# Altium PCB mantarray_beta2_sensor_arrayed.PcbDoc (part 1 of 4) (continued)
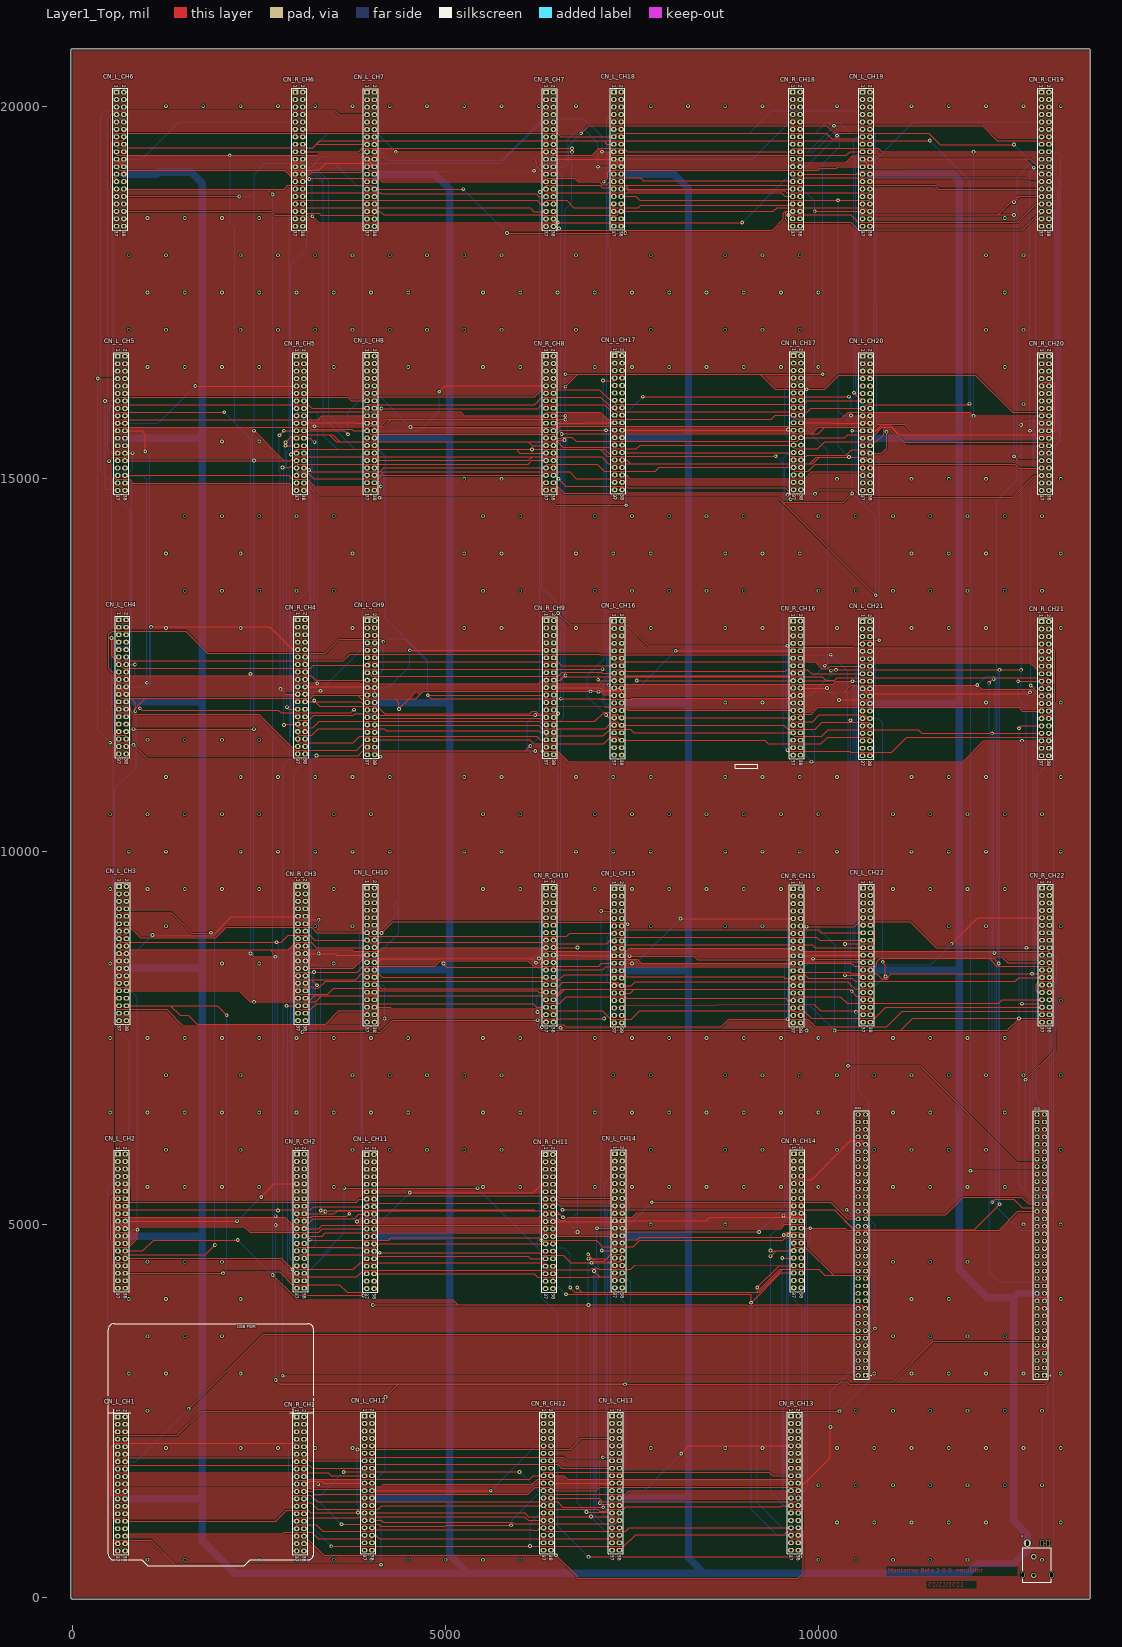
[diagram p0: Layer1_Top view]
## Nets (pads, with @x,y where several pads share a name; then routed paths per layer and width w, separated by ;. In a path a pad name is that pad's centre, name@x,y a point inside that pad or via, vN(x,y) a via of type N, cw(c..) or ccw(c..) an arc to the next point about the centre after c; other vN are vias at no path point) (continued)
  Layer8_BOT w10: CN_L_CH5.34@699.88,15045.12 941.88,15045.12 992,14995 v2(992,12265) ; v2(2014,4343) 2063,4392 v2(2063,7805) ; CN_L_CH8.34@4046.34,15047.09 4103.91,15047.09 4131,15020 v2(4131,14897) ; v2(6989,4374) 6989,1039 7148,880 7321.77,880 7331.77,870 CN_L_CH13.34@7331.77,828.58 ; v2(7126,7761) 7218,7853 7350,7853 7362.15,7865.15 CN_L_CH15.34@7362.15,7902.76 ; v2(10503,7851) 10483,7831 10483,7708 ; CN12.64@10533.8,6073.62 CN12.64@10506,6073.62 ; CN_L_CH21.34@10692.01,11486.06 10752,11486.06 10755,11483.06 10755,8680 10734,8659 10534,8659 10510,8635 10510,7735 10483,7708 ; CN_L_CH19.34@10692.46,18587.8 10692.46,18550 10680.46,18538 10560,18538 10518.98,18496.98 10518.98,16245 10537,16226.98 10537,16079.86 10518.98,16061.83 10518.98,15115.02 10539,15095 10680,15095 10693.98,15081.02 CN_L_CH20.34@10693.98,15045.12 ; 10483,6129 10483,6073.62 CN12.64@10506,6073.62 ; 10483,6129 10506,6106 CN12.64@10506,6073.62 ; 10483,6129 10483,7708
BUS1: CN11.61 CN_R_CH1.24 CN_R_CH2.24 CN_R_CH3.24 CN_R_CH4.24 CN_R_CH5.24 CN_R_CH6.24 CN_R_CH7.24 CN_R_CH8.24 CN_R_CH9.24 CN_R_CH10.24 CN_R_CH11.24 CN_R_CH12.24 CN_R_CH13.24 CN_R_CH14.24 CN_R_CH15.24 CN_R_CH16.24 CN_R_CH17.24 CN_R_CH18.24 CN_R_CH19.24 CN_R_CH20.24 CN_R_CH21.24 CN_R_CH22.24 | length 81901.7
  Layer1_Top w10: CN_R_CH5.24@3099.88,15545.12 3185.88,15545.12 3238,15493 v2(3242.76,15493) ; CN_R_CH2.24@3103.88,4843.31 3344.31,4843.31 3387,4886 6405,4886 6427,4864 6427,4838.43 CN_R_CH11.24@6440.43,4838.43 7188,4838.43 7230.43,4796 7572,4796 7605,4829 9508,4829 v2(9535,4856) 9575,4896 9760,4896 9770.02,4885.98 CN_R_CH14.24@9770.02,4848.03 ; CN_R_CH4.24@3115.14,12009.69 v2@3254.31,12009.69 ; CN_R_CH3.24@3119.57,8432.91 3763,8432.91 3895.09,8565 4101,8565 4127,8591 6227,8591 v2(6253,8565) ; v2(3212,18522) 3296,18438 6501,18438 v2(6502,18439) v2(8978,18439) ; v2(3238,12026) v2@3254.31,12009.69 ; v2(3601.8,977) 4105,977 4130,952 4993.27,952 5003.86,962.6 v2(5877.95,962.6) ; CN_R_CH12.24@6412.87,1328.58 7061.42,1328.58 7109,1281 9720,1281 9731.77,1292.77 CN_R_CH13.24@9731.77,1328.58 ; CN_R_CH10.24@6446.34,8413.23 7106.23,8413.23 7148,8455 9747.15,8455 9762.15,8440 CN_R_CH15.24@9762.15,8402.76 9762.15,8382 10316.73,8382 10318,8383.27 10422.73,8383.27 10445,8361 10783.91,8361 10858.91,8286 10925,8286 10939,8300 10939,8320 10980,8361 v2(12864,8361) 13099.88,8361 CN_R_CH22.24@13099.88,8411.26 ; CN_R_CH8.24@6446.34,15547.09 6554.18,15547.09 6568.32,15561.23 6690.94,15561.23 6749.17,15503 9717,15503 9766.99,15552.99 CN_R_CH17.24@9767.2,15552.99 10351.99,15552.99 10392,15593 10755,15593 10853,15691 10963,15691 11161,15493 13080,15493 13093.98,15506.98 CN_R_CH20.24@13093.98,15545.12 ; v2(6506,11852) 6240.52,11852 6209.82,11882.7 6160.52,11882.7 6129.82,11852 4180,11852 4080,11952 3917,11952 ; v2(6506,13200) 6664,13042 7434,13042 7715,12761 v2(9586,12761) 9604,12743 10464,12743 10471,12736 13120,12736 13168,12688 13168,12014.06 13140,11986.06 CN_R_CH21.24@13092.01,11986.06 ; CN_R_CH18.24@9755.39,19088.43 10511.43,19088.43 10559,19136 12848.53,19136 12850.39,19134.14 12928.53,19134.14 12930.39,19136 13080,19136 13092.46,19123.54 CN_R_CH19.24@13092.46,19087.8 ; v2@3254.31,12009.69 3312,11952 3917,11952 ; v2@3254.31,12009.69 3859.31,12009.69 3917,11952
  Layer8_BOT w10: CN_R_CH6.24@3084.19,19087.8 3195.11,19087.8 3212,19070.91 v2(3212,18522) ; CN_R_CH1.24@3100.91,1317.8 3261,1317.8 v2(3601.8,977) ; CN_R_CH2.24@3103.88,4843.31 3129,4843.31 3129,4875 3195,4941 3195,8023.35 3214.57,8042.91 3214.57,8337 3119.57,8432 CN_R_CH3.24@3119.57,8432.91 ; CN_R_CH4.24@3115.14,12009.69 3115.14,11977.14 3100,11962 2978.14,11962 2960.14,11980 2960.14,12140 2978.14,12158 3164,12158 3238,12232 ; v2(3238,12026) 3238,12232 ; v2(3242.76,15493) 3238,15488.24 3238,12232 ; v2(5877.95,962.6) 5877.95,1024.95 6230,1377 6400,1377 6412.87,1364.13 CN_R_CH12.24@6412.87,1328.58 ; v2(6253,8565) 6253,8430 6320,8363 6430,8363 6446.34,8379.34 CN_R_CH10.24@6446.34,8413.23 ; CN_R_CH8.24@6446.34,15547.09 6446.34,15580.66 6430,15597 6320,15597 6291,15568 6291,13541 6506,13326 v2(6506,13200) 6506,12010 ; CN_R_CH7.24@6446.34,19086.46 6492,19086.46 6502,19076.46 v2(6502,18439) ; CN_R_CH9.24@6450.28,11999.84 6495.84,11999.84 ; v2(6506,11852) 6506,11989.68 ; v2(8978,18439) 9575,19036 9741.39,19036 9755.39,19050 CN_R_CH18.24@9755.39,19088.43 ; v2(9535,4856) 9575,4816 9575,2634 9536,2595 9536,1443 9600,1379 9720,1379 9731.77,1367.23 CN_R_CH13.24@9731.77,1328.58 ; v2(9586,12761) 9586,12076 ; v2(12864,8361) 12883,8342 ; CN11.61@13033.8,5973.62 13033.8,6010.2 13020,6024 12899,6024 12883,6040 12883,8342 ; CN_R_CH21.24@13092.01,11986.06 13092.01,11949.01 13080,11937 12923,11937 12883,11897 12883,8342 ; CN_R_CH19.24@13092.46,19087.8 13159,19087.8 13228,19018.8 13228,15573.12 13200,15545.12 CN_R_CH20.24@13093.98,15545.12 ; 6495.84,11999.84 6506,11989.68 ; 6495.84,11999.84 6506,12010 ; 6506,11989.68 6506,12010 ; 9586,12076 9586,11978 9620,11944 9750,11944 9761.3,11955.3 CN_R_CH16.24@9761.3,11993.94 9761.3,12030.7 9750,12042 9620,12042 9586,12076
BUS2: CN11.46 CN_R_CH1.22 CN_R_CH2.22 CN_R_CH3.22 CN_R_CH4.22 CN_R_CH5.22 CN_R_CH6.22 CN_R_CH7.22 CN_R_CH8.22 CN_R_CH9.22 CN_R_CH10.22 CN_R_CH11.22 CN_R_CH12.22 CN_R_CH13.22 CN_R_CH14.22 CN_R_CH15.22 CN_R_CH16.22 CN_R_CH17.22 CN_R_CH18.22 CN_R_CH19.22 CN_R_CH20.22 CN_R_CH21.22 CN_R_CH22.22 | length 111181.5
  Layer1_Top w10: CN_R_CH6.22@3084.19,19187.8 3194.8,19187.8 3341,19334 4134,19334 4176,19292 6173,19292 6232,19233 6232,19184 6280,19136 6396,19136 6415,19155 6415,19186.46 CN_R_CH7.22@6446.34,19186.46 ; CN_R_CH5.22@3099.88,15645.12 3642.88,15645.12 v2(3689,15599) ; CN_R_CH1.22@3100.91,1417.8 3203.2,1417.8 3240,1381 6104,1381 6200,1477 6400,1477 6412.87,1464.13 CN_R_CH12.22@6412.87,1428.58 7018.58,1428.58 7067,1477 9720,1477 9731.77,1465.23 CN_R_CH13.22@9731.77,1428.58 ; CN_R_CH2.22@3103.88,4943.31 3299.54,4943.31 3342.23,4986 6430,4986 6440.43,4975.57 CN_R_CH11.22@6440.43,4938.43 ; v2@3264,11289 v2(3268,11289) 3825,11289 3886,11350 6069,11350 ; v2(4528,15695) 6431.34,15695 6446.34,15680 CN_R_CH8.22@6446.34,15647.09 6472.09,15647.09 6528,15703 9754.2,15703 9767.2,15690 CN_R_CH17.22@9767.2,15652.99 ; v2(6136,11417) 6069,11350 ; v2(6203,11350) 6069,11350 ; v2(6569,5196) 6620,5196 10210,5196 ; v2(6818,19636) 6920,19738 10114,19738 v2(10250,19602) 10250,19636 11480,19636 11632,19484 v2(12625,19484) ; CN_R_CH15.22@9762.15,8502.76 10441.24,8502.76 10483,8461 10760,8461 10780,8481 10780,8520 10827,8567 12291,8567 ; CN_R_CH14.22@9770.02,4948.03 v2(9891,4948.03) 10357.97,4948.03 10382,4924 12424.38,4924 12674,5173.62 CN11.46@12933.8,5173.62 ; v2(10167,12428) 10177,12438 v2(10237,12438) v2(12431,12438) v2(12720,12438) ; v2(12419,8500) 12352,8567 12291,8567 ; v2(12431,5270) 12090,4929 10483,4929 ; v2(12720,15723) 12792,15795 13120,15795 13149,15766 13149,15708.02 13093.98,15653 CN_R_CH20.22@13093.98,15645.12 ; CN_R_CH22.22@13099.88,8511.26 13099.88,8463 12395,8463 12291,8567 ; 10210,5196 10216,5196 10483,4929 ; 10210,5196 10477,4929 10483,4929
  Layer8_BOT w10: CN_R_CH6.22@3084.19,19187.8 3238.2,19187.8 3432,18994 3432,15856 v2(3689,15599) 3689,15896 3889,16096 4127,16096 v2(4528,15695) ; CN_R_CH4.22@3115.14,12109.69 3161.31,12109.69 3190.14,12080.86 3190.14,11291 ; CN_R_CH3.22@3119.57,8532.91 3160,8532.91 3194.57,8567.48 ; v2(6136,11417) 6275.28,11556.28 6275.28,11596.72 ; v2(6203,11350) 6502,11051 6502,8525.23 6490,8513.23 CN_R_CH10.22@6446.34,8513.23 6446.34,8475 6480,8475 6506,8449 ; CN_R_CH11.22@6440.43,4938.43 6484.43,4938.43 6496,4950 6496,5099.8 6569,5172.8 v2(6569,5196) 6502,5263 6502,7932.38 ; CN_R_CH7.22@6446.34,19186.46 6600,19186.46 6652,19238.46 6652,19470 v2(6818,19636) ; CN_R_CH13.22@9731.77,1428.58 9808.58,1428.58 9860,1480 9860,4762.97 9891,4793.97 v2(9891,4948.03) ; CN_R_CH18.22@9755.39,19188.43 9836.43,19188.43 v2(10250,19602) ; CN_R_CH16.22@9761.3,12093.94 9892.94,12093.94 v2(10237,12438) ; CN_R_CH17.22@9767.2,15652.99 9848,15652.99 10126,15374.99 10126,12469 v2(10167,12428) ; v2(12419,8500) v2@12419,5282 ; v2(12431,12438) v2(12431,5270) v2@12419,5282 ; v2(12625,19484) 12871,19238 ; v2(12720,15723) v2(12720,12438) 12720,12183 12807.41,12095.59 12880,12095.59 12918.41,12134 13040,12134 13052,12122 13052,12086.06 CN_R_CH21.22@13092.01,12086.06 ; CN11.46@12933.8,5173.62 12933.8,5210 12947.8,5224 13065,5224 13130,5289 13130,7620.71 13174.88,7665.6 13174.88,8324.12 13140,8359 12965,8359 12944,8380 12944,8440 12967,8463 13099.88,8463 CN_R_CH22.22@13099.88,8511.26 ; CN_R_CH19.22@13092.46,19187.8 13092.46,19225.54 13080,19238 12871,19238 ; 3190.14,11291 3190.14,11242.19 3175,11227.05 3175,8731.79 3194.57,8712.22 3194.57,8567.48 ; 3190.14,11291 3266,11291 v2(3268,11289) 3206,11227 3206,8578.91 3194.57,8567.48 ; 6275,11877 6275.28,11596.72 ; 6275,11877 6295,11897 6295,12025 6320,12050 6440.28,12050 ; 6275,11877 6275,11597 6275.28,11596.72 ; 6275.28,11596.72 6320,11552 6480,11552 6506,11526 6506,8449 ; 6440.28,12050 CN_R_CH9.22@6450.28,12099.84 6450.28,12060 6440.28,12050 ; 6502,7932.38 6502,7942 6521.34,7961.34 ; 6502,7932.38 6521.34,7951.71 6521.34,7961.34 ; 6506,8449 6506,8199 6521.34,8183.66 ; 6506,8449 6521.34,8433.66 6521.34,8183.66 ; 6521.34,7961.34 6521.34,8183.66 ; 6521.34,7961.34 6522,7962 6522,8183 6521.34,8183.66 ; v2@12419,5282 12391,5310 12391,8498.19 12421,8528.19 12421,9691 12411,9701 12411,12382.58 12391,12402.58 12391,14711 12665,14985 12665,19048.48 12854.52,19238 12871,19238
BUS3: CN11.47 CN_R_CH1.31 CN_R_CH2.31 CN_R_CH3.31 CN_R_CH4.31 CN_R_CH5.31 CN_R_CH6.31 CN_R_CH7.31 CN_R_CH8.31 CN_R_CH9.31 CN_R_CH10.31 CN_R_CH11.31 CN_R_CH12.31 CN_R_CH13.31 CN_R_CH14.31 CN_R_CH15.31 CN_R_CH16.31 CN_R_CH17.31 CN_R_CH18.31 CN_R_CH19.31 CN_R_CH20.31 CN_R_CH21.31 CN_R_CH22.31 | length 81495.8
  Layer1_Top w10: CN_R_CH6.31@2984.19,18687.8 2984.19,18736 6229,18736 6278.54,18686.46 CN_R_CH7.31@6346.34,18686.46 6346.34,18722.34 6360,18736 6622,18736 6720,18638 7586,18638 7617,18669 9648,18669 9648,18688.43 CN_R_CH18.31@9655.39,18688.43 ; CN_R_CH1.31@3000.91,917.8 3000.91,968 3267,968 3354,881 4045,881 4068,904 6177,904 6182.69,898.31 6235.31,898.31 6265.58,928.58 CN_R_CH12.31@6312.87,928.58 6339,928.58 6339,893 6351,881 7414,881 7461.58,928.58 CN_R_CH13.31@9631.77,928.58 ; CN_R_CH2.31@3003.88,4443.31 3003.88,4410 3018.88,4395 3761,4395 3852,4486 6330,4486 6340.43,4475.57 CN_R_CH11.31@6340.43,4438.43 6340.43,4417 6367.43,4390 6939,4390 6963.72,4414.72 7047.11,4414.72 7063.83,4398 7484,4398 7535,4449 9474.03,4448.03 ; CN_R_CH4.31@3015.14,11609.69 3015.14,11576.86 3030,11562 3203,11562 3289,11648 4179,11648 4205,11622 6245,11622 6267.16,11599.84 CN_R_CH9.31@6350.28,11599.84 6350.28,11552 7116,11552 7206,11642 7475,11642 7523.06,11593.94 CN_R_CH16.31@9661.3,11593.94 9661.3,11560 9675.3,11546 10042,11546 10132,11636 11340,11636 11389.94,11586.06 v2(12331,11586.06) CN_R_CH21.31@12992.01,11586.06 ; v2(3078,7580) 4131,7580 4290,7739 v2(6231,7739) ; v2(3169.23,15118.09) 3180.06,15118.09 3201.15,15097 4120,15097 4170,15147 6339,15147 6339,15147.09 CN_R_CH8.31@6346.34,15147.09 6346.34,15181.34 6360,15195 7034,15195 7126,15103 7813,15103 7862.99,15152.99 CN_R_CH17.31@9667.2,15152.99 9667.2,15117.8 9680,15105 9867.5,15105 9955.5,15193 12637.12,15193 12685,15145.12 CN_R_CH20.31@12993.98,15145.12 ; CN_R_CH10.31@6346.34,8013.23 6346.34,7978.66 6360,7965 6530,7965 6617,8052 7405,8052 7427,8030 9559.76,8030 9587,8002.76 CN_R_CH15.31@9662.15,8002.76 9662.15,8040 9673.15,8051 10296,8051 10384,7963 12419,7963 12467.26,8011.26 CN_R_CH22.31@12999.88,8011.26 ; v2(9180,4154) 9474.03,4448.03 ; v2(9600,18540) 10437,18540 10537,18440 12672,18440 12919.8,18687.8 CN_R_CH19.31@12992.46,18687.8 ; CN_R_CH14.31@9670.02,4448.03 9474.03,4448.03 ; v2(12331,5297) 12371,5337 12622,5337 12735,5224 12984,5224 13001,5241 13001,5273.62 CN11.47@13033.8,5273.62
  Layer8_BOT w10: CN_R_CH5.31@2999.88,15145.12 2999.88,15105.12 3010,15095 3130,15095 3135,15100 ; CN_R_CH2.31@3003.88,4443.31 3003.88,4450.81 2908.88,4545.81 2908.88,4930.81 2928,4949.93 2924.57,7648.85 2924.57,8156.57 2948.41,8180.41 3154.15,8180.41 3174.57,8160 3174.57,8099.57 3160,8085 3019.57,8074.57 CN_R_CH3.31@3019.57,8032.91 3019.57,8002 2986.57,8002 2964.57,7980 2964.57,7693.43 v2(3078,7580) ; CN_R_CH4.31@3015.14,11609.69 2989,11609.69 2989,11651.14 2940.14,11700 2940.14,13137.19 3175,13372.05 3175,15060 3135,15100 ; v2(3169.23,15118.09) 3158.41,15118.09 3145.27,15104.95 3139.95,15104.95 3135,15100 ; v2(6231,7739) 6271,7779 6271,7948.29 6313.71,7991 6346.34,7991 CN_R_CH10.31@6346.34,8013.23 ; v2(9180,4154) 9180,1265.58 9517,928.58 CN_R_CH13.31@9631.77,928.58 ; v2(9600,18540) 9600,18678.43 9610,18688.43 CN_R_CH18.31@9655.39,18688.43 ; v2(12331,5297) 12331,8566.99 12320,8577.99 12320,8667 12331,8678 v2(12331,11586.06) ; CN_R_CH19.31@12992.46,18687.8 13006.46,18636 13120,18636 13168,18588 13168,16888 12972.62,16692.62 12938.98,16692.62 12938.98,15812.62 12898.98,15772.62 12898.98,15259.02 12986,15172 12986,15145.12 CN_R_CH20.31@12993.98,15145.12 ; CN_R_CH22.31@12999.88,8011.26 12999.88,7971.12 13010,7961 13142,7961 13154.88,7948.12 13154.88,7678.88 13104.23,7628.23 13104.23,5297.86 13080,5273.62 CN11.47@13033.8,5273.62
BUS4: CN11.48 CN_R_CH1.27 CN_R_CH2.27 CN_R_CH3.27 CN_R_CH4.27 CN_R_CH5.27 CN_R_CH6.27 CN_R_CH7.27 CN_R_CH8.27 CN_R_CH9.27 CN_R_CH10.27 CN_R_CH11.27 CN_R_CH12.27 CN_R_CH13.27 CN_R_CH14.27 CN_R_CH15.27 CN_R_CH16.27 CN_R_CH17.27 CN_R_CH18.27 CN_R_CH19.27 CN_R_CH20.27 CN_R_CH21.27 CN_R_CH22.27 | length 94171.9
  Layer1_Top w10: v2(2924,15328) 2991,15395 3010,15395 ; CN_R_CH5.27@2999.88,15345.12 2999.88,15384.88 3010,15395 ; CN_R_CH4.27@3015.14,11809.69 3015.14,11776.86 3030,11762 3170,11762 3234,11826 3760,11826 3782,11848 4098,11848 4114,11832 v2(6201,11832) 6329.28,11832 6350.28,11811 CN_R_CH9.27@6350.28,11799.84 ; CN_R_CH3.27@3019.57,8232.91 3019.57,8195.43 3030,8185 3214.57,8185 3232.84,8166.72 3294.57,8166.72 3390.84,8263 4247,8263 4252,8258 6339,8258 6339,8213.23 CN_R_CH10.27@6346.34,8213.23 ; v2(3467,681) 3467.08,681.08 6127.93,681.08 v2(6131.89,685.04) 6137.93,679 7387,679 7547,839 9539,839 9577,877 9764,877 9787,900 9787,1152 9760,1179 9631.77,1179 CN_R_CH13.27@9631.77,1128.58 ; v2(3639,5486) v2(5427,5486) ; v2(6265,18848) 6353,18936 6360,18936 ; v2(6291,7649) 6480,7649 6509.05,7678.05 6582,7678.05 6611.05,7649 8697,7649 8801,7753 v2(9587,7753) 9855,7753 9955,7653 10920,7653 11128,7861 13140,7861 13155,7876 13155,8140 13132,8163 13010,8163 12999.88,8173.12 CN_R_CH22.27@12999.88,8211.26 ; CN_R_CH7.27@6346.34,18886.46 6346.34,18922.34 6360,18936 ; v2(9358,4574) 9432.03,4648.03 ; v2(9358,4648.03) 9432.03,4648.03 ; v2(9427,15304) 7227,15304 ; v2(9587,11361) 9591,11361 9606,11346 10420,11346 10430,11336 10986,11336 11187,11537 13125,11537 13148,11560 13148,11806 ; CN_R_CH14.27@9670.02,4648.03 9432.03,4648.03 ; v2(10379,5196) 10446,5129 11709,5129 11945,5365 12730.62,5365 12822,5273.62 CN11.48@12933.8,5273.62 ; v2(12849,12229) 12944,12134 13120,12134 13148,12106 13148,12060 13122,12034 12960,12034 12937,12011 12937,11957 12960,11934 13120,11934 13148,11906 13148,11860 ; CN_R_CH21.27@12992.01,11786.06 12992.01,11820 13008.01,11836 13118,11836 ; CN_R_CH19.27@12992.46,18887.8 11609.2,18887.8 11561,18936 9670,18936 ; 3010,15395 5948,15395 ; 5948,15395 v2(6159,15395) 6369.34,15395 ; 5948,15395 5995.91,15347.09 CN_R_CH8.27@6346.34,15347.09 6346.34,15372 6369.34,15395 ; 6360,18936 7071,18936 7100,18907 7191,18907 7220,18936 7411,18936 ; 6369.34,15395 6371.34,15397 7073,15397 7075,15395 ; 6369.34,15395 7075,15395 ; 7075,15395 7166,15304 7227,15304 ; 7075,15395 7136,15395 7227,15304 ; 7411,18936 9670,18936 ; 7411,18936 7459,18888 9602.57,18888 9603,18888.43 CN_R_CH18.27@9655.39,18888.43 9655.39,18921.39 9670,18936 ; 13118,11836 13120,11836 13148,11860 ; 13118,11836 13148,11806 ; 13148,11806 13148,11860
  Layer8_BOT w10: v2(2924,15328) 2950,15354 ; CN_R_CH5.27@2999.88,15345.12 2958.88,15345.12 2950,15354 ; CN_R_CH1.27@3000.91,1117.8 3000.91,1096 2945,1040.09 2945,980 2957,968 3180,968 v2(3467,681) ; CN_R_CH2.27@3003.88,4643.31 3036,4643.31 3036,4608 3049,4595 3348,4595 3639,4886 v2(3639,5486) ; CN_R_CH4.27@3015.14,11809.69 3015.14,11770 3025.14,11760 3150,11760 3170.14,11739.86 3170.14,11262 2964,11055.86 2964,8719.85 2924.57,8680.41 2924.57,8280 2971.65,8232.91 CN_R_CH3.27@3019.57,8232.91 ; v2(5427,5486) 6233,4680 ; v2(6131.89,685.04) 6131.89,990.47 6257,1115.58 6270,1128.58 6309.58,1128.58 CN_R_CH12.27@6312.87,1128.58 ; v2(6159,15395) 6159,15405 6265,15511 ; v2(6201,11832) v2@6200.4,11832.6 ; v2(6291,7649) 6291,7940 6314,7963 6480,7963 6501.34,7984.34 6501.34,8161 6499.34,8163 6360,8163 6346.34,8176.66 CN_R_CH10.27@6346.34,8213.23 ; CN_R_CH11.27@6340.43,4638.43 6274.57,4638.43 6233,4680 ; CN_R_CH7.27@6346.34,18886.46 6288,18886.46 6265,18863.46 v2(6265,18848) 6265,15511 ; v2(9358,4574) 9358,1411.77 9631.77,1138 CN_R_CH13.27@9631.77,1128.58 ; v2(9358,4648.03) 9358,4856 9571,5069 9571,5144 9623,5196 v2(10379,5196) ; v2(9587,7753) 9587,8115.85 ; CN_R_CH16.27@9661.3,11793.94 9620,11793.94 ; CN_R_CH17.27@9667.2,15352.99 9598.99,15352.99 ; v2(12849,12229) 12849,14868 12877,14896 13125,14896 13149,14920 13149,15266 13120,15295 13008.98,15295 12993.98,15310 CN_R_CH20.27@12993.98,15345.12 ; CN11.48@12933.8,5273.62 12933.8,5309.09 12998.33,5309.09 13018.23,5329 13060,5329 13084.23,5353.23 13084.23,6500.77 12924.88,6660.12 12924.88,8125 12999.88,8200 CN_R_CH22.27@12999.88,8211.26 ; 2950,15354 2924.88,15379.12 2924.88,17870.88 3140,18086 3140,18818 3120,18838 2996.19,18838 ; 2996.19,18838 CN_R_CH6.27@2984.19,18887.8 2984.19,18850 2996.19,18838 ; v2@6200.4,11832.6 6265,11897.2 6265,15511 ; v2@6200.4,11832.6 6096,11728.2 6096,11376.67 6265,11207.67 6265,8671.93 6171,8577.93 6171,7739 6265,7645 6265,4842.93 6233,4810.93 6233,4680 ; 9526,12761 9526,15205 ; 9526,12761 9526,11422 v2(9587,11361) 9587,11760.94 9620,11793.94 ; 9526,12761 9566,12721 9566,11862 9620,11793.94 ; 9526,15205 9526,15280 9598.99,15352.99 ; 9526,15205 v2(9427,15304) 9475.99,15352.99 9598.99,15352.99 ; 9587,8115.85 9587,8180 9609.76,8202.76 CN_R_CH15.27@9662.15,8202.76 9662.15,8191 9587,8115.85
BUS5: CN11.50 CN_R_CH1.29 CN_R_CH2.29 CN_R_CH3.29 CN_R_CH4.29 CN_R_CH5.29 CN_R_CH6.29 CN_R_CH7.29 CN_R_CH8.29 CN_R_CH9.29 CN_R_CH10.29 CN_R_CH11.29 CN_R_CH12.29 CN_R_CH13.29 CN_R_CH14.29 CN_R_CH15.29 CN_R_CH16.29 CN_R_CH17.29 CN_R_CH18.29 CN_R_CH19.29 CN_R_CH20.29 CN_R_CH21.29 CN_R_CH22.29 | length 90088.7
  Layer1_Top w10: v2(2811,15154) 2918.88,15154 CN_R_CH5.29@2999.88,15235 ; v2(2831,11697) 2843.69,11709.69 CN_R_CH4.29@3015.14,11709.69 3015.14,11676.86 3030,11662 3218,11662 3304,11748 6263,11748 6311.16,11699.84 CN_R_CH9.29@6350.28,11699.84 ; CN_R_CH6.29@2984.19,18787.8 2984.19,18836 4127,18836 4140,18823 6213,18823 6249.54,18786.46 CN_R_CH7.29@6346.34,18786.46 6346.34,18821.34 6361,18836 9500,18836 9547.57,18788.43 CN_R_CH18.29@9655.39,18788.43 ; CN_R_CH5.29@2999.88,15245.12 CN_R_CH5.29@2999.88,15235 ; CN_R_CH1.29@3000.91,1017.8 3000.91,1067 3824,1067 3834,1077 6057.58,1077 6106,1028.58 CN_R_CH12.29@6312.87,1028.58 ; CN_R_CH2.29@3003.88,4543.31 3003.88,4575 3038,4575 3054,4591 3884,4591 3885,4590 4067,4590 4084,4573 6109,4573 6143.57,4538.43 CN_R_CH11.29@6340.43,4538.43 ; CN_R_CH3.29@3019.57,8132.91 3019.57,8095.43 3030,8085 3422,8085 3502,8165 4087,8165 4118,8134 6230.23,8134 6251,8113.23 CN_R_CH10.29@6346.34,8113.23 ; v2(6231,7850) 6271,7810 6271,7709 6251,7689 6251,7631 6280,7602 6578,7602 ; CN_R_CH8.29@6346.34,15247.09 6158,15247.09 6107.91,15197 3010,15197 2999.88,15207.12 CN_R_CH5.29@2999.88,15235 ; v2(6513,15001) 6613,14901 7422,14901 7440,14883 9555,14883 9626,14812 v2(9626,14726) ; v2(6542,7638) 6578,7602 ; v2(6915,540) v2(9756,540) ; v2(9516,4548.03) CN_R_CH14.29@9670.02,4548.03 ; v2(9843,7602) 6578,7602 ; v2(9950,18589) 10513,18589 10562,18540 12415.2,18540 ; v2(10218,7602) 11104,7602 ; v2(12625,15304) 12683.88,15245.12 CN_R_CH20.29@12993.98,15245.12 ; v2(12625,18540) 12415.2,18540 ; v2(12625,18712) 12681.9,18768.9 ; v2(12692,7760) 12534,7602 11104,7602 ; v2(12692,11654) 12724.06,11686.06 CN_R_CH21.29@12992.01,11686.06 ; v2(12778,6940) 13175,7337 13175,7798 ; CN_R_CH19.29@12992.46,18787.8 12700.8,18787.8 12681.9,18768.9 ; CN_R_CH22.29@12999.88,8111.26 12940,8111.26 12920,8131.26 12920,8219 12960,8259 13154,8259 13175,8238 13175,7798 ; 11104,7602 11265,7763 13140,7763 13175,7798 ; 12415.2,18540 12663,18787.8 12681.9,18768.9
  Layer8_BOT w10: v2(2811,15154) 2831,15134 v2(2831,11697) ; CN_R_CH2.29@3003.88,4543.31 2960,4543.31 2948,4555.31 2948,4761.82 2928.88,4780.94 2928.88,4910.81 2948,4929.93 2948,7661.98 2944.57,7665.41 2944.57,7996.98 2948,8000.41 2948,8120.91 2960,8132.91 CN_R_CH3.29@3019.57,8132.91 ; v2(6231,7850) 6231,8064 6280.23,8113.23 CN_R_CH10.29@6346.34,8113.23 ; CN_R_CH12.29@6312.87,1028.58 6312.87,981 6474,981 6502,953 ; CN_R_CH11.29@6340.43,4538.43 6337.43,4538.43 6285,4486 6285,4020 6502,3803 6502,953 ; CN_R_CH8.29@6346.34,15247.09 6358.34,15198 6480,15198 6513,15165 v2(6513,15001) ; CN_R_CH9.29@6350.28,11699.84 6350.28,11660 6360.28,11650 6531,11650 6542,11639 v2(6542,7638) ; v2(6915,540) 6502,953 ; v2(9516,4548.03) 9516,1304 9539,1281 9756,1281 ; v2(9626,14726) 9579.49,14726 9546,14759.49 9546,15134 9664.99,15252.99 CN_R_CH17.29@9667.2,15252.99 9667.2,15215.8 9680,15203 9800,15203 9823,15226 9823,15480 9801,15502 9640,15502 9552,15590 9552,16217 9640,16305 9822,16305 9950,16433 v2(9950,18589) 9950,18727 9840,18837 9705,18837 9656.43,18788.43 CN_R_CH18.29@9655.39,18788.43 ; CN_R_CH13.29@9631.77,1028.58 9631.77,981 9760,981 ; CN_R_CH16.29@9661.3,11693.94 9661.3,11660 9679.3,11642 9899,11642 9954,11587 9954,9019 9967,9006 ; CN_R_CH15.29@9662.15,8102.76 9662.15,8070 9677.15,8055 9800,8055 9843,8012 9843,7953 ; v2(9756,540) 9787,571 9787,960 ; v2(12625,15304) v2(12625,18540) v2(12625,18712) ; v2(12692,11654) v2(12692,7760) 12692,5524.62 12778,5438.62 ; v2(12778,6940) 12778,5438.62 ; CN11.50@12933.8,5373.62 12843,5373.62 12778,5438.62 ; 9756,1281 9772,1281 9787,1266 9787,1250 ; 9756,1281 9787,1250 ; 9760,981 9787,960 ; 9760,981 9787,1008 ; 9787,960 9787,1008 ; 9787,1008 9787,1250 ; 9843,7953 v2(9843,7602) 9967,7726 9967,7853 ; 9843,7953 9867,7953 9967,7853 ; 9967,7853 v2(10218,7602) 10218,8721 10235,8738 9967,9006 ; 9967,7853 9967,9006
BUS6: CN11.62 CN_R_CH1.17 CN_R_CH2.17 CN_R_CH3.17 CN_R_CH4.17 CN_R_CH5.17 CN_R_CH6.17 CN_R_CH7.17 CN_R_CH8.17 CN_R_CH9.17 CN_R_CH10.17 CN_R_CH11.17 CN_R_CH12.17 CN_R_CH13.17 CN_R_CH14.17 CN_R_CH15.17 CN_R_CH16.17 CN_R_CH17.17 CN_R_CH18.17 CN_R_CH19.17 CN_R_CH20.17 CN_R_CH21.17 CN_R_CH22.17 | length 78135
  Layer1_Top w10: CN_R_CH5.17@2999.88,15845.12 2999.88,15869 3023.88,15893 3160,15898 5201,15898 5251.91,15847.09 CN_R_CH8.17@6346.34,15847.09 6346.34,15883.34 6360,15897 7077,15897 7171,15803 9370.01,15803 9420,15852.99 CN_R_CH17.17@9667,15852.99 ; CN_R_CH1.17@3000.91,1617.8 3000.91,1580 3010.91,1570 3156,1570 3166,1580 6129,1580 6177.58,1628.58 CN_R_CH12.17@6312.87,1628.58 6312.87,1677 9336.58,1677 9385,1628.58 CN_R_CH13.17@9631.77,1628.58 ; CN_R_CH2.17@3003.88,5143.31 3003.88,5110 3018.88,5095 3199,5095 3213,5109 3674,5109 v2(3707,5142) ; CN_R_CH4.17@3015.14,12309.69 3015.14,12276.86 3030,12262 v2@3271,12262 ; CN_R_CH3.17@3019.57,8732.91 3019.57,8708 3044.57,8683 3750,8683 3768,8665 4101,8665 4149.23,8713.23 CN_R_CH10.17@6346.34,8713.23 6346.34,8676.66 6360,8663 7207,8663 7215,8655 7414,8655 7461.76,8702.76 CN_R_CH15.17@9662.15,8702.76 ; v2(3278,12255) v2@3271,12262 ; v2(3811,5038) 3863,5090 6251,5090 6299.43,5138.43 CN_R_CH11.17@6340.43,5138.43 6340.43,5100 6350.43,5090 6498.71,5090 6532.88,5055.83 6612.88,5055.83 6653.04,5096 7502,5096 7563,5157 9663,5157 9663,5148.03 CN_R_CH14.17@9670.02,5148.03 ; v2(4330.54,19386.46) CN_R_CH7.17@6346.34,19386.46 6378,19386.46 6378,19360 6400,19338 6964,19338 7062,19436 7392,19436 7439,19389 CN_R_CH18.17@9655.39,19389 ; v2(7187,12230) 7165,12252 6350.28,12252 CN_R_CH9.17@6350.28,12299.84 6297.84,12299.84 6249,12251 3857,12251 3846,12262 v2@3271,12262 ; v2(7564,12294) 9661.3,12294 CN_R_CH16.17@9661.3,12293.94 ; CN_R_CH18.17@9655.39,19388.43 CN_R_CH18.17@9655.39,19389 ; CN_R_CH17.17@9667.2,15852.99 CN_R_CH17.17@9667,15852.99 ; v2(9842,8994) 10480,8994 10545,9059 11234,9059 11581.74,8711.26 v2(12791,8711.26) CN_R_CH22.17@12999.88,8711.26 ; v2(10086,12495) 10094,12495 10133,12534 12841,12534 12937,12438 13120,12438 13148,12410 13148,12260 13124,12236 13006.01,12236 12992.01,12250 CN_R_CH21.17@12992.01,12286.06 v2(12680,12286.06) ; CN_R_CH19.17@12992.46,19387.8 12985,19387.8 v2(12082,19387) 10850,19387 10801,19436 9670,19436 9655.39,19421.39 CN_R_CH18.17@9655.39,19389 ; CN_R_CH20.17@12993.98,15845.12 v2(12082,15845.12) 12032.12,15895 10400,15895 10310,15805 9705,15805 9688,15822 9667,15822 CN_R_CH17.17@9667,15852.99
  Layer8_BOT w10: CN_R_CH6.17@2984.19,19387.8 3015,19387.8 3015,19419 3034,19438 3218,19438 3417,19637 4080,19637 v2(4330.54,19386.46) ; CN_R_CH5.17@2999.88,15845.12 2999.88,15882.88 3010,15893 3270,15893 3282.76,15880.24 3282.76,13895.87 3278,13891.11 v2(3278,12255) ; CN_R_CH2.17@3003.88,5143.31 3003.88,5180 3016.88,5193 3132,5193 3175,5236 3175,8043.35 3194.57,8062.91 3194.57,8240.43 3154,8281 2992,8281 2944.57,8328.43 2944.57,8640 3004.55,8699.98 3019.57,8699.98 CN_R_CH3.17@3019.57,8732.91 ; v2(3707,5142) v2(3811,5038) ; v2(7187,12230) 7201,12244 7514,12244 v2(7564,12294) ; CN_R_CH13.17@9631.77,1628.58 9631.77,1678 9765,1678 9787,1700 9787,3880 9615,4052 9615,4780 9635.53,4800.53 9800,4800.53 9825.02,4825.55 9825.02,4977.98 9805,4998 9637,4998 9615,5020 9615,5092 9640,5117 9670.02,5117 CN_R_CH14.17@9670.02,5148.03 ; CN_R_CH16.17@9661.3,12293.94 9692,12293.94 9692,12325 9711,12344 9935,12344 v2(10086,12495) ; CN_R_CH15.17@9662.15,8702.76 9651,8702.76 9651,8734 9607.15,8777.85 9607.15,8831.15 9629,8853 9800,8853 9842,8895 v2(9842,8994) ; v2(12082,15845.12) v2(12082,19387) ; v2(12680,12286.06) 12680,12047 12791,11936 v2(12791,8711.26) 12791,6987 12844,6934 12844,6000 12870.38,5973.62 CN11.62@12933.8,5973.62